# Altium PCB Graviton_11JAN15.PcbDoc (part 5 of 11) (continued)
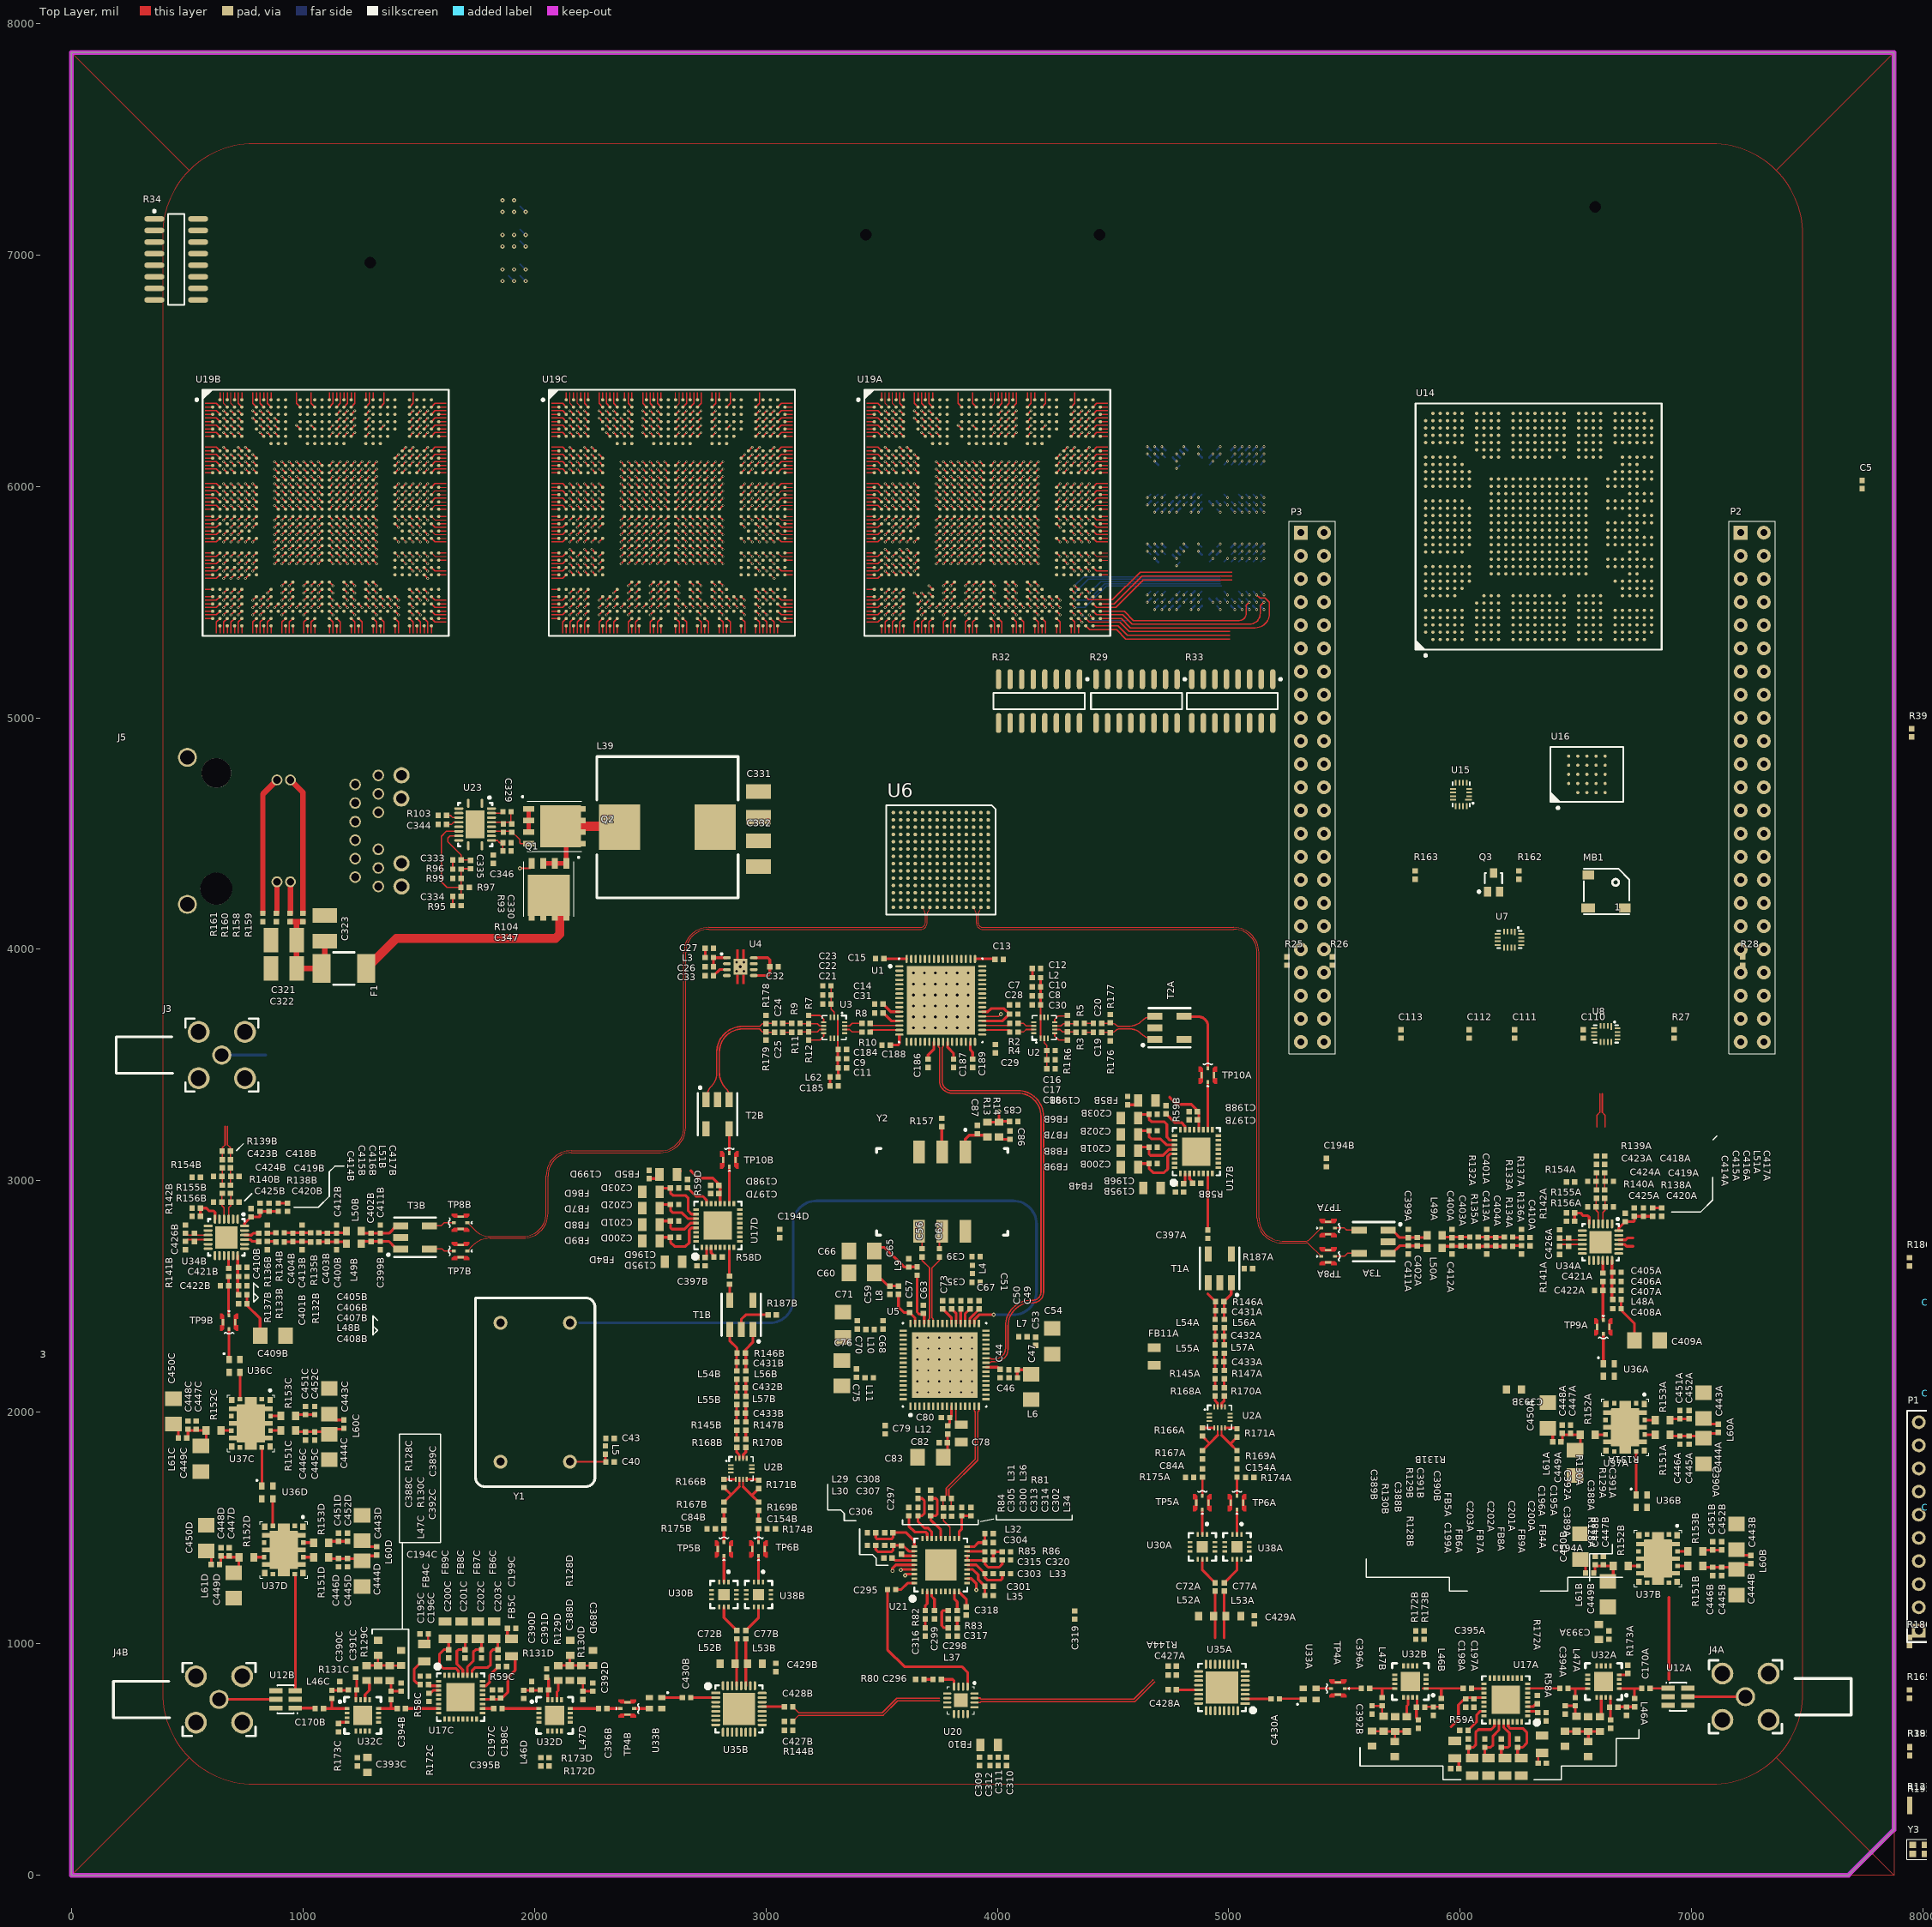
[diagram p0: Top Layer view]
## Nets (pads, with @x,y where several pads share a name; then routed paths per layer and width w, separated by ;. In a path a pad name is that pad's centre, name@x,y a point inside that pad or via, vN(x,y) a via of type N, cw(c..) or ccw(c..) an arc to the next point about the centre after c; other vN are vias at no path point) (continued)
CLK-CTRL.C\S\: U5.18
CLK-CTRL.CSN: P3.20
CLK-CTRL.LD1: P3.16 U5.31
CLK-CTRL.LD2: P3.18 U5.48
CLK-CTRL.RESET: P3.26 U5.5
CLK-CTRL.SCK: P3.22 U5.19
CLK-CTRL.SDIO: P3.24 U5.20
CLK-CTRL.SEL0: P3.12 U5.58
CLK-CTRL.SEL1: P3.14 U5.59
CLKIN: C34.1 U5.34 | length 3115.6
  Top Layer w11.81: U5.34@3900.59,2383.86 3900.59,2400.44 3921.41,2421.26 v5(3984.25,2421.26)
  Bottom Layer w11.81: 2194.84,2386.61 3018.11,2386.61 ccw(c3018.11,2486.61) 3118.11,2486.61 3118.11,2813.39 cw(c3218.11,2813.39) 3218.11,2913.39 4069.29,2913.39 cw(c4069.29,2813.39) 4169.29,2813.39 4169.29,2521.26 cw(c4069.29,2521.26) 4069.29,2421.26 v5(3984.25,2421.26)
CLKOUT3_N: U13.6
CLKOUT3_P: U13.7
CLOCK-SYNC: P3.41 U5.6
CPOUT1: C85.1 R13.1 R14.2 U5.32 | length 136.9
  Top Layer w11.81: R13.1@3956.69,3253.54 R14.2@4007.87,3253.54 ; v5(4007.87,3299.21) 4007.87,3259.84 4011.02,3256.69 C85.1@4052.95,3256.69
CSN_1: U19A.AG3 | length 22.3
  Top Layer w5: v1(3515.75,5539.37) U19A.AG3@3531.5,5555.12
CSN_2: U19B.AG3 | length 22.3
  Top Layer w5: v1(657.48,5539.37) U19B.AG3@673.23,5555.12
CSN_3: U19C.AG3 | length 22.3
  Top Layer w5: v1(2153.54,5539.37) U19C.AG3@2169.29,5555.12
DAC-CTRL.RESETN: P2.4 U6.N10
DAC-CTRL.SCLK: P2.20 U6.P9
DAC-CTRL.SDENN: P2.6 U6.P10
DAC-CTRL.SDIO: P2.16 U6.P11
DAC-CTRL.SDO: P2.14 U6.P12
DAC-CTRL.SLEEP: P2.12 U6.B8
DAC-CTRL.TXENABLE: P2.10 U6.N9
DAC-LVDS.DAC-D0_N: U6.P4 U19C.P29 | length 22.3
  Top Layer w2.99: U19C.P29@2988.19,5964.57 v1(3003.94,5980.32)
DAC-LVDS.DAC-D0_P: U6.N4 U19C.P28 | length 22.3
  Top Layer w2.99: U19C.P28@2956.69,5964.57 v1(2972.44,5980.32)
DAC-LVDS.DAC-D1_N: U6.P3 U19C.T26 | length 22.3
  Top Layer w2.99: U19C.T26@2893.7,5901.57 v1(2909.45,5917.32)
DAC-LVDS.DAC-D1_P: U6.N3 U19C.R26 | length 22.3
  Top Layer w2.99: U19C.R26@2893.7,5933.07 v1(2909.45,5948.82)
DAC-LVDS.DAC-D2_N: U6.P2 U19C.T27 | length 22.3
  Top Layer w2.99: U19C.T27@2925.2,5901.57 v1(2940.94,5917.32)
DAC-LVDS.DAC-D2_P: U6.N2 U19C.R27 | length 22.3
  Top Layer w2.99: U19C.R27@2925.2,5933.07 v1(2940.94,5948.82)
DAC-LVDS.DAC-D3_N: U6.P1 U19C.U26 | length 22.3
  Top Layer w2.99: U19C.U26@2893.7,5870.08 v1(2909.45,5854.33)
DAC-LVDS.DAC-D3_P: U6.N1 U19C.U27 | length 22.3
  Top Layer w2.99: U19C.U27@2925.2,5870.08 v1(2940.94,5854.33)
DAC-LVDS.DAC-D4_N: U6.M1 U19C.T28 | length 22.3
  Top Layer w2.99: U19C.T28@2956.69,5901.57 v1(2972.44,5917.32)
DAC-LVDS.DAC-D4_P: U6.M2 U19C.R29 | length 22.3
  Top Layer w2.99: U19C.R29@2988.19,5933.07 v1(3003.94,5948.82)
DAC-LVDS.DAC-D5_N: U6.L1 U19C.P30 | length 22.3
  Top Layer w2.99: U19C.P30@3019.69,5964.57 v1(3035.43,5980.32)
DAC-LVDS.DAC-D5_P: U6.L2 U19C.P31 | length 70.1
  Top Layer w2.99: U19C.P31@3051.18,5964.57 3066.93,5980.32 3114.76,5980.32
DAC-LVDS.DAC-D6_N: U6.K1 U19C.T30 | length 22.3
  Top Layer w2.99: U19C.T30@3019.69,5901.57 v1(3035.43,5917.32)
DAC-LVDS.DAC-D6_P: U6.K2 U19C.R30 | length 22.3
  Top Layer w2.99: U19C.R30@3019.69,5933.07 v1(3035.43,5948.82)
DAC-LVDS.DAC-D7_N: U6.J1 U19C.P32 | length 32.1
  Top Layer w2.99: U19C.P32@3082.68,5964.57 3114.76,5964.57
DAC-LVDS.DAC-D7_P: U6.J2 U19C.N32 | length 32.1
  Top Layer w2.99: U19C.N32@3082.68,5996.06 3114.76,5996.06
DAC-LVDS.DAC-D8_N: U6.F1 U19C.U30 | length 22.3
  Top Layer w2.99: U19C.U30@3019.69,5870.08 v1(3035.43,5854.33)
DAC-LVDS.DAC-D8_P: U6.F2 U19C.U31 | length 70.1
  Top Layer w2.99: U19C.U31@3051.18,5870.08 3066.93,5854.33 3114.76,5854.33
DAC-LVDS.DAC-D9_N: U6.E1 U19C.T31 | length 70.1
  Top Layer w2.99: U19C.T31@3051.18,5901.57 3066.93,5917.32 3114.76,5917.32
DAC-LVDS.DAC-D9_P: U6.E2 U19C.R32 | length 32.1
  Top Layer w2.99: U19C.R32@3082.68,5933.07 3114.76,5933.07
DAC-LVDS.DAC-D10_N: U6.D1 U19C.Y27 | length 22.3
  Top Layer w2.99: U19C.Y27@2925.2,5775.59 v1(2940.94,5759.84)
DAC-LVDS.DAC-D10_P: U6.D2 U19C.Y26 | length 22.3
  Top Layer w2.99: U19C.Y26@2893.7,5775.59 v1(2909.45,5759.84)
DAC-LVDS.DAC-D11_N: U6.C1 U19C.W28 | length 22.3
  Top Layer w2.99: U19C.W28@2956.69,5807.09 v1(2972.44,5791.34)
DAC-LVDS.DAC-D11_P: U6.C2 U19C.Y28 | length 22.3
  Top Layer w2.99: U19C.Y28@2956.69,5775.59 v1(2972.44,5759.84)
DAC-LVDS.DAC-D12_N: U6.B1 U19C.W29 | length 22.3
  Top Layer w2.99: U19C.W29@2988.19,5807.09 v1(3003.94,5791.34)
DAC-LVDS.DAC-D12_P: U6.A1 U19C.Y29 | length 22.3
  Top Layer w2.99: U19C.Y29@2988.19,5775.59 v1(3003.94,5759.84)
DAC-LVDS.DAC-D13_N: U6.B2 U19C.AC27 | length 22.3
  Top Layer w2.99: U19C.AC27@2925.2,5681.1 v1(2940.94,5665.35)
DAC-LVDS.DAC-D13_P: U6.A2 U19C.AB26 | length 22.3
  Top Layer w2.99: U19C.AB26@2893.7,5712.6 v1(2909.45,5696.85)
DAC-LVDS.DAC-D14_N: U6.B3 U19C.AB27 | length 22.3
  Top Layer w2.99: U19C.AB27@2925.2,5712.6 v1(2940.94,5696.85)
DAC-LVDS.DAC-D14_P: U6.A3 U19C.AB28 | length 22.3
  Top Layer w2.99: U19C.AB28@2956.69,5712.6 v1(2972.44,5696.85)
DAC-LVDS.DAC-D15_N: U19C.AB29 | length 22.3
  Top Layer w2.99: U19C.AB29@2988.19,5712.6 v1(3003.94,5696.85)
DAC-LVDS.DAC-D15_P: U6.A4 U19C.AB30 | length 22.3
  Top Layer w2.99: U19C.AB30@3019.68,5712.6 v1(3035.43,5696.85)
DAC-LVDS.DAC-DCLK_N: U6.G1 U19C.AD29 | length 22.3
  Top Layer w2.99: U19C.AD29@2988.19,5649.61 v1(3003.94,5633.86)
DAC-LVDS.DAC-DCLK_P: U6.G2 U19C.AC28 | length 22.3
  Top Layer w2.99: U19C.AC28@2956.69,5681.1 v1(2972.44,5665.35)
DAC-LVDS.DAC-FRAME_N: U6.H1 U19C.U32 | length 32.1
  Top Layer w2.99: U19C.U32@3082.68,5870.08 3114.76,5870.08
DAC-LVDS.DAC-FRAME_P: U6.H2 U19C.T32 | length 32.1
  Top Layer w2.99: U19C.T32@3082.68,5901.57 3114.76,5901.57
DAC-LVDS.DAC-OSTR_N: U6.B9 U19C.AB31 | length 70.1
  Top Layer w2.99: U19C.AB31@3051.18,5712.6 3066.93,5696.85 3114.76,5696.85
DAC-LVDS.DAC-OSTR_P: U6.A9 U19C.AC30 | length 22.3
  Top Layer w2.99: U19C.AC30@3019.69,5681.1 v1(3035.43,5665.35)
DAC-LVDS.DAC-PARITY_N: U6.P5 U19C.AE30 | length 22.3
  Top Layer w2.99: U19C.AE30@3019.69,5618.11 v1(3035.43,5602.36)
DAC-LVDS.DAC-PARITY_P: U6.N5 U19C.AD30 | length 22.3
  Top Layer w2.99: U19C.AD30@3019.69,5649.61 v1(3035.43,5633.86)
DAC-LVDS.DAC-SYNC_N: U6.B5 U19C.Y32 | length 32.1
  Top Layer w2.99: U19C.Y32@3082.68,5775.59 3114.76,5775.59
DAC-LVDS.DAC-SYNC_P: U6.A5 U19C.W31 | length 70.1
  Top Layer w2.99: U19C.W31@3051.18,5807.09 3066.93,5791.34 3114.76,5791.34
DACCLK_N: U5.2 U6.A11
DACCLK_P: U5.1 U6.A12
DDR-A0: R32.1 U9.N3 U10.N3 U19A.AM28 | length 32.1
  Top Layer w4.72: 4318.9,5365.55 U19A.AM28@4318.9,5397.64
  other v2: 5057.5,5688.75 5057.5,6108.75
DDR-A1: R32.2 U9.P7 U10.P7 U19A.AM29 | length 32.1
  Top Layer w4.72: 4350.39,5365.55 U19A.AM29@4350.39,5397.64
  other v2: 5089,5531.25 5089,5951.25
DDR-A2: R32.3 U9.P3 U10.P3 U19A.AL28 | length 70.1
  Top Layer w4.72: U19A.AL28@4318.9,5429.13 4334.65,5413.39 4334.65,5365.55
  other v2: 5089,5688.75 5089,6108.75
DDR-A3: R32.4 U9.N2 U10.N2 U19A.AK28 | length 22.3
  Top Layer w5: U19A.AK28@4318.9,5460.63 v1(4334.65,5444.88)
  other v2: 5057.5,5720.25 5057.5,6140.25
DDR-A4: R32.5 U9.P8 U10.P8 U19A.AK32 | length 719.1
  Top Layer w4.72: U19A.AK32@4444.88,5460.63 4548.4,5460.63 4588.4,5420.63 5045.63,5420.63 ccw(c5045.63,5450.62) 5075.62,5450.62
  Top Layer w4.75: 5075.62,5450.62 5075.62,5486.38 v2(5089,5499.75)
  other v2: 5089,5919.75
DDR-A5: R32.6 U9.P2 U10.P2 U19A.AJ32 | length 619.8
  Top Layer w4.72: U19A.AJ32@4444.88,5492.13 4504.86,5492.13 4624.86,5612.13 5015,5612.13
  other v2: 5089,5720.25 5089,6140.25
DDR-A6: R32.7 U9.R8 U10.R8 U19A.AM30 | length 647
  Top Layer w4.72: U19A.AM30@4381.89,5397.64 4399.53,5380 4502.13,5380 4515,5380 4555,5340 5005,5340
  other v2: 5120.5,5499.75 5120.5,5919.75
DDR-A7: R32.8 U9.R2 U10.R2 U19A.AL30 | length 646.2
  Top Layer w4.72: U19A.AL30@4381.89,5429.13 4397.64,5413.39 4528.83,5413.39 4568.83,5373.39 5005,5373.39
  other v2: 5120.5,5720.25 5120.5,6140.25
DDR-A8: R33.1 U9.T8 U10.T8 U19A.AK31 | length 827.5
  Top Layer w4.72: U19A.AK31@4413.39,5460.63 4429.13,5444.88 4541.88,5444.88 4581.88,5404.88 5005,5404.88
  Top Layer w4.75: 5005,5404.88 5090,5404.88 ccw(c5090,5450.88) 5136,5450.88 5136,5483.75 v2(5152,5499.75)
  other v2: 5152,5919.75
DDR-A9: R33.2 U9.R3 U10.R3 U19A.AJ31 | length 657.8
  Top Layer w4.72: U19A.AJ31@4413.39,5492.13 4429.13,5476.38 4511.38,5476.38 4631.38,5596.38 5015,5596.38
  other v2: 5120.5,5688.75 5120.5,6108.75
DDR-A10: R33.3 U9.L7 U10.L7 U19A.AM31 | length 608.2
  Top Layer w4.72: U19A.AM31@4413.39,5397.64 4502.13,5397.64 4522.31,5397.64 4562.31,5357.64 5005,5357.64
  other v2: 4994.5,5531.25 4994.5,5951.25
DDR-A11: R33.4 U9.R7 U10.R7 U19A.AL32 | length 899.9
  Top Layer w4.72: U19A.AL32@4444.88,5429.13 4535.35,5429.13 4575.35,5389.13 5114.63,5389.13 ccw(c5114.63,5450) 5175.5,5450 5175.5,5500 5157.61,5517.89 5133.86,5517.89 v2(5120.5,5531.25)
  other v2: 5120.5,5951.25
DDR-A12: R33.5 U9.N7 U10.N7 U19A.AG28 | length 677.3
  Top Layer w5: U19A.AG28@4318.9,5555.12 v1(4334.65,5539.37)
  Bottom Layer w4.72: v1(4334.65,5539.37) 4394.28,5599 4965,5599
  other v2: 5057.5,5531.25 5057.5,5951.25
DDR-A13: R33.6 U9.T3 U10.T3 U19A.AG29 | length 668.4
  Top Layer w5: v1(4334.65,5570.87) U19A.AG29@4350.39,5555.12
  Bottom Layer w4.72: v1(4334.65,5570.87) 4372.78,5609 4965,5609
  other v2: 5152,5688.75 5152,6108.75
DDR-A14: R33.7 U9.T7 U10.T7 U19A.AJ28 | length 696
  Top Layer w5: U19A.AJ28@4318.9,5492.13 v1(4334.65,5476.38)
  Bottom Layer w4.72: v1(4334.65,5476.38) 4379.38,5476.38 4472.14,5569.14 4970,5569.14
  other v2: 5152,5531.25 5152,5951.25
DDR-A15: R33.8 U9.M7 U10.M7 U19A.AH28 | length 682.1
  Top Layer w5: U19A.AH28@4318.9,5523.62 v1(4334.65,5507.87)
  Bottom Layer w4.72: v1(4334.65,5507.87) 4392.87,5507.87 4464,5579 4965,5579
DDR-BA0: R34.1 U9.M2 U10.M2 U19A.AH30 | length 688.5
  Top Layer w5: U19A.AH30@4381.89,5523.62 4395.51,5510 4497.45,5510 4617.45,5630 5015,5630
  other v2: 5026,5720.25 5026,6140.25
DDR-BA1: R34.2 U9.N8 U10.N8 U19A.AG30 | length 610.2
  Top Layer w5: U19A.AG30@4381.89,5555.12 v1(4397.64,5539.37)
  Bottom Layer w4.72: v1(4397.64,5539.37) 4447.27,5589 4965,5589
  other v2: 5057.5,5499.75 5057.5,5919.75
DDR-BA2: R34.3 U9.M3 U10.M3 U19A.AK29 | length 233.2
  Top Layer w5: U19A.AK29@4350.39,5460.63 v1(4366.14,5444.88)
  Bottom Layer w4.72: v1(4366.14,5444.88) 4391.02,5420 4566.76,5420
  other v2: 5026,5688.75 5026,6108.75
DDR-D0: U10.E3 U19A.P28 | length 22.3
  Top Layer w5: U19A.P28@4318.9,5964.57 v1(4334.65,5980.32)
  other v2: 4774,6077.25
DDR-D1: U10.F7 U19A.P29 | length 22.3
  Top Layer w5: U19A.P29@4350.39,5964.57 v1(4366.14,5980.32)
  other v2: 4805.5,5951.25
DDR-D2: U10.F2 U19A.R26 | length 22.3
  Top Layer w5: U19A.R26@4255.91,5933.07 v1(4271.65,5948.82)
DDR-D3: U10.F8 U19A.T26 | length 22.3
  Top Layer w5: U19A.T26@4255.91,5901.57 v1(4271.65,5917.32)
  other v2: 4805.5,5919.75
DDR-D4: U10.H3 U19A.R27 | length 22.3
  Top Layer w5: U19A.R27@4287.4,5933.07 v1(4303.15,5948.82)
DDR-D5: U10.H8 U19A.T27 | length 22.3
  Top Layer w5: U19A.T27@4287.4,5901.57 v1(4303.15,5917.32)
  other v2: 4868.5,5919.75
DDR-D6: U10.G2 U19A.U27 | length 22.3
  Top Layer w5: U19A.U27@4287.4,5870.08 v1(4303.15,5854.33)
DDR-D7: U10.H7 U19A.U26 | length 22.3
  Top Layer w5: U19A.U26@4255.91,5870.08 v1(4271.65,5854.33)
  other v2: 4868.5,5951.25
DDR-D8: U10.D7 U19A.P31 | length 70.1
  Top Layer w4.72: U19A.P31@4413.39,5964.57 4429.13,5980.32 4476.97,5980.32
DDR-D9: U10.C3 U19A.P30 | length 22.3
  Top Layer w5: U19A.P30@4381.89,5964.57 v1(4397.64,5980.32)
DDR-D10: U10.C8 U19A.R30 | length 22.3
  Top Layer w5: U19A.R30@4381.89,5933.07 v1(4397.64,5948.82)
  other v2: 4711,5919.75
DDR-D11: U10.C2 U19A.T30 | length 22.3
  Top Layer w5: U19A.T30@4381.89,5901.57 v1(4397.64,5917.32)
  other v2: 4711,6140.25
DDR-D12: U10.A7 U19A.N32 | length 32.1
  Top Layer w4.72: U19A.N32@4444.88,5996.06 4476.97,5996.06
  other v2: 4648,5951.25
DDR-D13: U10.A2 U19A.P32 | length 32.1
  Top Layer w4.72: U19A.P32@4444.88,5964.57 4476.97,5964.57
  other v2: 4648,6140.25
DDR-D14: U10.B8 U19A.U31 | length 70.1
  Top Layer w4.72: U19A.U31@4413.39,5870.08 4429.13,5854.33 4476.97,5854.33
  other v2: 4679.5,5919.75
DDR-D15: U10.A3 U19A.U30 | length 22.3
  Top Layer w5: U19A.U30@4381.89,5870.08 v1(4397.64,5854.33)
DDR-D16: U9.E3 U19A.Y26 | length 22.3
  Top Layer w5: U19A.Y26@4255.91,5775.59 v1(4271.65,5759.84)
  other v2: 4774,5657.25
DDR-D17: U9.F7 U19A.Y27 | length 22.3
  Top Layer w5: U19A.Y27@4287.4,5775.59 v1(4303.15,5759.84)
  other v2: 4805.5,5531.25
DDR-D18: U9.F2 U19A.Y28 | length 22.3
  Top Layer w5: U19A.Y28@4318.9,5775.59 v1(4334.65,5759.84)
DDR-D19: U9.F8 U19A.W28 | length 22.3
  Top Layer w5: U19A.W28@4318.9,5807.09 v1(4334.65,5791.34)
  other v2: 4805.5,5499.75
DDR-D20: U9.H3 U19A.Y29 | length 22.3
  Top Layer w5: U19A.Y29@4350.39,5775.59 v1(4366.14,5759.84)
DDR-D21: U9.H8 U19A.W29 | length 22.3
  Top Layer w5: U19A.W29@4350.39,5807.09 v1(4366.14,5791.34)
  other v2: 4868.5,5499.75
DDR-D22: U9.G2 U19A.AB26 | length 22.3
  Top Layer w5: U19A.AB26@4255.91,5712.6 v1(4271.65,5696.85)
DDR-D23: U9.H7 U19A.AC27 | length 22.3
  Top Layer w5: U19A.AC27@4287.4,5681.1 v1(4303.15,5665.35)
  other v2: 4868.5,5531.25
DDR-D24: U9.D7 U19A.AB30 | length 22.3
  Top Layer w5: U19A.AB30@4381.89,5712.6 v1(4397.64,5696.85)
DDR-D25: U9.C3 U19A.AB29 | length 22.3
  Top Layer w5: U19A.AB29@4350.39,5712.6 v1(4366.14,5696.85)
DDR-D26: U9.C8 U19A.AC28 | length 22.3
  Top Layer w5: U19A.AC28@4318.9,5681.1 v1(4334.65,5665.35)
  other v2: 4711,5499.75
DDR-D27: U9.C2 U19A.AD29 | length 22.3
  Top Layer w5: U19A.AD29@4350.39,5649.61 v1(4366.14,5633.86)
  other v2: 4711,5720.25
DDR-D28: U9.A7 U19A.W31 | length 70.1
  Top Layer w4.72: U19A.W31@4413.39,5807.09 4429.13,5791.34 4476.97,5791.34
  other v2: 4648,5531.25
DDR-D29: U9.A2 U19A.Y32 | length 32.1
  Top Layer w4.72: U19A.Y32@4444.88,5775.59 4476.97,5775.59
  other v2: 4648,5720.25
DDR-D30: U9.B8 U19A.AD30 | length 22.3
  Top Layer w5: U19A.AD30@4381.89,5649.61 v1(4397.64,5633.86)
  other v2: 4679.5,5499.75
DDR-D31: U9.A3 U19A.AE30
DDRCC2.S0_3: U19C.P27 | length 22.3
  Top Layer w5: U19C.P27@2925.2,5964.57 v1(2940.94,5980.32)
DDRCC2.S1_3: U19C.P26 | length 22.3
  Top Layer w5: U19C.P26@2893.7,5964.57 v1(2909.45,5980.32)
DDRCC2.S2_3: U19C.N26 | length 22.3
  Top Layer w5: U19C.N26@2893.7,5996.06 v1(2909.45,6011.81)
DDRCC2.S3_3: U19C.N27 | length 22.3
  Top Layer w5: U19C.N27@2925.2,5996.06 v1(2940.94,6011.81)
DDRCC2.S4_3: U19C.L27 | length 22.3
  Top Layer w5: U19C.L27@2925.2,6059.06 v1(2940.94,6074.8)
DDRCC2.S5_3: U19C.L26 | length 22.3
  Top Layer w5: U19C.L26@2893.7,6059.06 v1(2909.45,6074.8)
DDRCC2.S6_3: U19C.N29 | length 22.3
  Top Layer w5: U19C.N29@2988.19,5996.06 v1(3003.94,6011.81)
DDRCC2.S7_3: U19C.N30 | length 22.3
  Top Layer w5: U19C.N30@3019.69,5996.06 v1(3035.43,6011.81)
DDRCC2.S8_3: U19C.L29 | length 22.3
  Top Layer w5: U19C.L29@2988.19,6059.06 v1(3003.94,6074.8)
DDRCC2.S9_3: U19C.K28 | length 22.3
  Top Layer w5: U19C.K28@2956.69,6090.55 v1(2972.44,6106.3)
DDRCC2.S10_3: U19C.K26 | length 22.3
  Top Layer w5: U19C.K26@2893.7,6090.55 v1(2909.45,6106.3)
DDRCC2.S11_3: U19C.K27 | length 22.3
  Top Layer w5: U19C.K27@2925.2,6090.55 v1(2940.94,6106.3)
DDRCC2.S12_3: U19C.J27 | length 22.3
  Top Layer w5: U19C.J27@2925.2,6122.05 v1(2940.94,6137.8)
DDRCC2.S13_3: U19C.H28 | length 22.3
  Top Layer w5: U19C.H28@2956.69,6153.54 v1(2972.44,6169.29)
DDRCC2.S14_3: U19C.H27 | length 22.3
  Top Layer w5: U19C.H27@2925.2,6153.54 v1(2940.94,6169.29)
DDRCC2.S15_3: U19C.K29 | length 22.3
  Top Layer w5: U19C.K29@2988.19,6090.55 v1(3003.94,6106.3)
DDRCC2.S16_3: U19C.J29 | length 22.3
  Top Layer w5: U19C.J29@2988.19,6122.05 v1(3003.94,6137.8)
DDRCC2.S17_3: U19C.L30 | length 22.3
  Top Layer w5: U19C.L30@3019.69,6059.06 v1(3035.43,6074.8)
DDRCC2.S18_3: U19C.L31 | length 70.1
  Top Layer w4.72: U19C.L31@3051.18,6059.06 3066.93,6074.8 3114.76,6074.8
DDRCC2.S19_3: U19C.L32 | length 32.1
  Top Layer w4.72: U19C.L32@3082.68,6059.06 3114.76,6059.06
DDRCC2.S20_3: U19C.K32 | length 32.1
  Top Layer w4.72: U19C.K32@3082.68,6090.55 3114.76,6090.55
DDRCC2.S21_3: U19C.J32 | length 32.1
  Top Layer w4.72: U19C.J32@3082.68,6122.05 3114.76,6122.05
DDRCC2.S22_3: U19C.K31 | length 70.1
  Top Layer w4.72: U19C.K31@3051.18,6090.55 3066.93,6106.3 3114.76,6106.3
DDRCC2.S23_3: U19C.K30 | length 22.3
  Top Layer w5: U19C.K30@3019.69,6090.55 v1(3035.43,6106.3)
DDRCC2.S24_3: U19C.J30 | length 22.3
  Top Layer w5: U19C.J30@3019.69,6122.05 v1(3035.43,6137.8)
DDRCC2.S25_3: U19C.H30 | length 22.3
  Top Layer w5: U19C.H30@3019.69,6153.54 v1(3035.43,6169.29)
DDRCC2.S26_3: U19C.H31 | length 70.1
  Top Layer w4.72: U19C.H31@3051.18,6153.54 3066.93,6169.29 3114.76,6169.29
DDRCC2.S27_3: U19C.H32 | length 32.1
  Top Layer w4.72: U19C.H32@3082.68,6153.54 3114.76,6153.54
DDRCC2.S28_3: U19C.F32 | length 32.1
  Top Layer w4.72: U19C.F32@3082.68,6216.54 3114.76,6216.54
DDRCC2.S29_3: U19C.E32 | length 32.1
  Top Layer w4.72: U19C.E32@3082.68,6248.03 3114.76,6248.03
DDRCC2.S30_3: U19C.F31 | length 70.1
  Top Layer w4.72: U19C.F31@3051.18,6216.54 3066.93,6232.28 3114.76,6232.28
DDRCC2.S31_3: U19C.D32 | length 32.1
  Top Layer w4.72: U19C.D32@3082.68,6279.53 3114.76,6279.53
DDRCC2.S32_3: U19C.C32 | length 32.1
  Top Layer w4.72: U19C.C32@3082.68,6311.02 3114.76,6311.02
DDRCC2.S33_3: U19C.E30 | length 22.3
  Top Layer w5: U19C.E30@3019.69,6248.03 v1(3035.43,6263.78)
DDRCC2.S34_3: U19C.F30 | length 22.3
  Top Layer w5: U19C.F30@3019.69,6216.54 v1(3035.43,6232.28)
DDRCC2.S35_3: U19C.D31 | length 70.1
  Top Layer w4.72: U19C.D31@3051.18,6279.53 3066.93,6295.28 3114.76,6295.28
DDRCC2.S36_3: U19C.D30 | length 22.3
  Top Layer w5: U19C.D30@3019.68,6279.53 v1(3035.43,6295.28)
DDRCC2.S37_3: U19C.C31 | length 70.1
  Top Layer w4.72: U19C.C31@3051.18,6311.02 3066.93,6326.77 3114.76,6326.77
DDRCC2.S38_3: U19C.B32 | length 32.1
  Top Layer w4.72: U19C.B32@3082.68,6342.52 3114.76,6342.52
DDRCC2.S39_3: U19C.F28 | length 22.3
  Top Layer w5: U19C.F28@2956.69,6216.54 v1(2972.44,6232.28)
DDRCC2.S40_3: U19C.F29 | length 22.3
  Top Layer w5: U19C.F29@2988.19,6216.54 v1(3003.94,6232.28)
DDRCC2.S41_3: U19C.E29 | length 22.3
  Top Layer w5: U19C.E29@2988.19,6248.03 v1(3003.94,6263.78)
DDRCC2.S42_3: U19C.D29 | length 22.3
  Top Layer w5: U19C.D29@2988.19,6279.53 v1(3003.94,6295.28)
DDRCC2.S43_3: U19C.C30 | length 22.3
  Top Layer w5: U19C.C30@3019.69,6311.02 v1(3035.43,6326.77)
DDRCC2.S44_3: U19C.C29 | length 22.3
  Top Layer w5: U19C.C29@2988.19,6311.02 v1(3003.94,6326.77)
DDRCC2.S45_3: U19C.D28 | length 22.3
  Top Layer w5: U19C.D28@2956.69,6279.53 v1(2972.44,6295.28)
DDRCC2.S46_3: U19C.C28 | length 22.3
  Top Layer w5: U19C.C28@2956.69,6311.02 v1(2972.44,6326.77)
DDRCC6.S47_1: U19A.AB3 | length 22.3
  Top Layer w5: v1(3515.75,5728.35) U19A.AB3@3531.5,5712.6
DDRCC6.S47_2: U19B.AB3 | length 22.3
  Top Layer w5: v1(657.48,5696.85) U19B.AB3@673.23,5712.6
DDRCC6.S47_3: U19C.AB3 | length 22.3
  Top Layer w5: v1(2153.54,5728.35) U19C.AB3@2169.29,5712.6
DDRCC7.S0_2: U19B.P6 | length 22.3
  Top Layer w5: v1(751.97,5980.32) U19B.P6@767.72,5964.57
DDRCC7.S1_2: U19B.P7 | length 22.3
  Top Layer w5: v1(783.46,5980.32) U19B.P7@799.21,5964.57
DDRCC7.S2_2: U19B.C4 | length 22.3
  Top Layer w5: v1(688.98,6326.77) U19B.C4@704.72,6311.02
DDRCC7.S3_2: U19B.C3 | length 22.3
  Top Layer w5: v1(657.48,6326.77) U19B.C3@673.23,6311.02
DDRCC7.S4_2: U19B.D4 | length 22.3
  Top Layer w5: v1(688.98,6295.28) U19B.D4@704.72,6279.53
DDRCC7.S5_2: U19B.E4 | length 22.3
  Top Layer w5: v1(688.98,6263.78) U19B.E4@704.72,6248.03
DDRCC7.S6_2: U19B.F4 | length 22.3
  Top Layer w5: v1(688.98,6232.28) U19B.F4@704.72,6216.54
DDRCC7.S7_2: U19B.F5 | length 22.3
  Top Layer w5: v1(720.47,6232.28) U19B.F5@736.22,6216.54
DDRCC7.S8_2: U19B.B1 | length 32.1
  Top Layer w4.72: 578.15,6342.52 U19B.B1@610.24,6342.52
DDRCC7.S9_2: U19B.C2 | length 70.1
  Top Layer w4.72: 578.15,6326.77 625.98,6326.77 U19B.C2@641.73,6311.02
DDRCC7.S10_2: U19B.D3 | length 22.3
  Top Layer w5: v1(657.48,6295.28) U19B.D3@673.23,6279.53
DDRCC7.S11_2: U19B.D2 | length 70.1
  Top Layer w4.72: 578.15,6295.28 625.98,6295.28 U19B.D2@641.73,6279.53
DDRCC7.S12_2: U19B.F3 | length 22.3
  Top Layer w5: v1(657.48,6232.28) U19B.F3@673.23,6216.54
DDRCC7.S13_2: U19B.E3 | length 22.3
  Top Layer w5: v1(657.48,6263.78) U19B.E3@673.23,6248.03
DDRCC7.S14_2: U19B.C1 | length 32.1
  Top Layer w4.72: 578.15,6311.02 U19B.C1@610.24,6311.02
DDRCC7.S15_2: U19B.D1 | length 32.1
  Top Layer w4.72: 578.15,6279.53 U19B.D1@610.24,6279.53
DDRCC7.S16_2: U19B.F2 | length 70.1
  Top Layer w4.72: 578.15,6232.28 625.98,6232.28 U19B.F2@641.73,6216.54
DDRCC7.S17_2: U19B.E1 | length 32.1
  Top Layer w4.72: 578.15,6248.03 U19B.E1@610.24,6248.03
DDRCC7.S18_2: U19B.F1 | length 32.1
  Top Layer w4.72: 578.15,6216.54 U19B.F1@610.24,6216.54
DDRCC7.S19_2: U19B.H1 | length 32.1
  Top Layer w4.72: 578.15,6153.54 U19B.H1@610.24,6153.54
DDRCC7.S20_2: U19B.H2 | length 70.1
  Top Layer w4.72: 578.15,6169.29 625.98,6169.29 U19B.H2@641.73,6153.54
DDRCC7.S21_2: U19B.H3 | length 22.3
  Top Layer w5: v1(657.48,6169.29) U19B.H3@673.23,6153.54
DDRCC7.S22_2: U19B.J3 | length 22.3
  Top Layer w5: v1(657.48,6137.8) U19B.J3@673.23,6122.05
DDRCC7.S23_2: U19B.K3 | length 22.3
  Top Layer w5: v1(657.48,6106.3) U19B.K3@673.23,6090.55
DDRCC7.S24_2: U19B.K2 | length 70.1
  Top Layer w4.72: 578.15,6106.3 625.98,6106.3 U19B.K2@641.73,6090.55
DDRCC7.S25_2: U19B.J1 | length 32.1
  Top Layer w4.72: 578.15,6122.05 U19B.J1@610.24,6122.05
DDRCC7.S26_2: U19B.K1 | length 32.1
  Top Layer w4.72: 578.15,6090.55 U19B.K1@610.24,6090.55
DDRCC7.S27_2: U19B.L1 | length 32.1
  Top Layer w4.72: 578.15,6059.06 U19B.L1@610.24,6059.06
DDRCC7.S28_2: U19B.L2 | length 70.1
  Top Layer w4.72: 578.15,6074.8 625.98,6074.8 U19B.L2@641.73,6059.06
DDRCC7.S29_2: U19B.L3 | length 22.3
  Top Layer w5: v1(657.48,6074.8) U19B.L3@673.23,6059.06
DDRCC7.S30_2: U19B.J4 | length 22.3
  Top Layer w5: v1(688.98,6137.8) U19B.J4@704.72,6122.05
DDRCC7.S31_2: U19B.K4 | length 22.3
  Top Layer w5: v1(688.98,6106.3) U19B.K4@704.72,6090.55
DDRCC7.S32_2: U19B.H6 | length 22.3
  Top Layer w5: v1(751.97,6169.29) U19B.H6@767.72,6153.54
DDRCC7.S33_2: U19B.H5 | length 22.3
  Top Layer w5: v1(720.47,6169.29) U19B.H5@736.22,6153.54
DDRCC7.S34_2: U19B.J6 | length 22.3
  Top Layer w5: v1(751.97,6137.8) U19B.J6@767.72,6122.05
DDRCC7.S35_2: U19B.K6 | length 22.3
  Top Layer w5: v1(751.97,6106.3) U19B.K6@767.72,6090.55
DDRCC7.S36_2: U19B.K7 | length 22.3
  Top Layer w5: v1(783.46,6106.3) U19B.K7@799.21,6090.55
DDRCC7.S37_2: U19B.K5 | length 22.3
  Top Layer w5: v1(720.47,6106.3) U19B.K5@736.22,6090.55
DDRCC7.S38_2: U19B.L4 | length 22.3
  Top Layer w5: v1(688.98,6074.8) U19B.L4@704.72,6059.06
DDRCC7.S39_2: U19B.N3 | length 22.3
  Top Layer w5: v1(657.48,6011.81) U19B.N3@673.23,5996.06
DDRCC7.S40_2: U19B.N4 | length 22.3
  Top Layer w5: v1(688.98,6011.81) U19B.N4@704.72,5996.06
DDRCC7.S41_2: U19B.L7 | length 22.3
  Top Layer w5: v1(783.46,6074.8) U19B.L7@799.21,6059.06
DDRCC7.S42_2: U19B.L6 | length 22.3
  Top Layer w5: v1(751.97,6074.8) U19B.L6@767.72,6059.06
DDRCC7.S43_2: U19B.N6 | length 22.3
  Top Layer w5: v1(751.97,6011.81) U19B.N6@767.72,5996.06
DDRCC7.S44_2: U19B.N7 | length 22.3
  Top Layer w5: v1(783.46,6011.81) U19B.N7@799.21,5996.06
DDRCC7.S45_2: U19B.C5 | length 22.3
  Top Layer w5: v1(720.47,6326.77) U19B.C5@736.22,6311.02
DDRCC7.S46_2: U19B.D5 | length 22.3
  Top Layer w5: v1(720.47,6295.28) U19B.D5@736.22,6279.53
DDRVREF: C127.2 C128.2 C133.2 C136.2 C148.2 C150.2 R36.1 R113.2 U9.H1 U9.M8 U10.H1 U10.M8
  other v2: 5026,5499.75 4868.5,5751.75 5026,5919.75 4868.5,6171.75
DDRVTT: C134.2 C137.2 R29.9 R29.10 R29.11 R29.12 R29.13 R29.14 R32.9 R32.10 R32.11 R32.12 R32.13 R32.14 R32.15 R32.16 R33.9 R33.10 R33.11 R33.12 R33.13 R33.14 R33.15 R33.16 R34.9 R34.10 R34.11 R34.12 R34.13 R34.14 R34.15 R34.16 R36.2 R37.1
DSA-CTRL0.D3: FB9A.2 U19B.AM28 | length 32.1
  Top Layer w4.72: 1460.63,5365.55 U19B.AM28@1460.63,5397.64
DSA-CTRL0.D4: FB8A.2 U19B.AM29 | length 32.1
  Top Layer w4.72: 1492.13,5365.55 U19B.AM29@1492.13,5397.64
DSA-CTRL0.D5: FB7A.2 U19B.AL28 | length 70.1
  Top Layer w4.72: U19B.AL28@1460.63,5429.13 1476.38,5413.39 1476.38,5365.55
DSA-CTRL0.D6: FB6A.2 U19B.AK28 | length 22.3
  Top Layer w5: U19B.AK28@1460.63,5460.63 v1(1476.38,5444.88)
DSA-CTRL1.D3: FB9B.2 U19B.AK32 | length 32.1
  Top Layer w4.72: U19B.AK32@1586.61,5460.63 1618.7,5460.63
DSA-CTRL1.D4: FB8B.2 U19B.AJ32 | length 32.1
  Top Layer w4.72: U19B.AJ32@1586.61,5492.13 1618.7,5492.13
DSA-CTRL1.D5: FB7B.2 U19B.AM30 | length 32.1
  Top Layer w4.72: 1523.62,5365.55 U19B.AM30@1523.62,5397.64
DSA-CTRL1.D6: FB6B.2 U19B.AL30 | length 70.1
  Top Layer w4.72: U19B.AL30@1523.62,5429.13 1539.37,5413.39 1539.37,5365.55
DSA-CTRL2.D3: FB9C.2 U19B.AK31 | length 70.1
  Top Layer w4.72: U19B.AK31@1555.12,5460.63 1570.87,5444.88 1618.7,5444.88
DSA-CTRL2.D4: FB8C.2 U19B.AJ31 | length 70.1
  Top Layer w4.72: U19B.AJ31@1555.12,5492.13 1570.87,5476.38 1618.7,5476.38
DSA-CTRL2.D5: FB7C.2 U19B.AM31 | length 32.1
  Top Layer w4.72: 1555.12,5365.55 U19B.AM31@1555.12,5397.64
DSA-CTRL2.D6: FB6C.2 U19B.AL32 | length 32.1
  Top Layer w4.72: U19B.AL32@1586.61,5429.13 1618.7,5429.13
DSA-CTRL3.D3: FB9D.2 U19B.AG28 | length 22.3
  Top Layer w5: U19B.AG28@1460.63,5555.12 v1(1476.38,5539.37)
DSA-CTRL3.D4: FB8D.2 U19B.AG29 | length 22.3
  Top Layer w5: U19B.AG29@1492.13,5555.12 v1(1507.87,5539.37)
DSA-CTRL3.D5: FB7D.2 U19B.AJ28 | length 22.3
  Top Layer w5: U19B.AJ28@1460.63,5492.13 v1(1476.38,5476.38)
DSA-CTRL3.D6: FB6D.2 U19B.AH28 | length 22.3
  Top Layer w5: U19B.AH28@1460.63,5523.62 v1(1476.38,5507.87)
ENET2-DDRCC6.S0: U18.46 U19A.P5 | length 22.3
  Top Layer w5: v1(3578.74,5980.32) U19A.P5@3594.49,5964.57
ENET2-DDRCC6.S1: U19A.P4 | length 22.3
  Top Layer w5: v1(3547.24,5980.32) U19A.P4@3562.99,5964.57
ENET2-DDRCC6.S2: U18.43 U19A.R7 | length 22.3
  Top Layer w5: v1(3641.73,5948.82) U19A.R7@3657.48,5933.07
ENET2-DDRCC6.S3: U18.44 U19A.T7 | length 22.3
  Top Layer w5: v1(3641.73,5917.32) U19A.T7@3657.48,5901.57
ENET2-DDRCC6.S4: U18.45 U19A.R6 | length 22.3
  Top Layer w5: v1(3610.24,5948.82) U19A.R6@3625.98,5933.07
ENET2-DDRCC6.S5: U18.47 U19A.T6 | length 22.3
  Top Layer w5: v1(3610.24,5917.32) U19A.T6@3625.98,5901.57
ENET2-DDRCC6.S6: U18.48 U19A.U6 | length 22.3
  Top Layer w5: v1(3610.24,5854.33) U19A.U6@3625.98,5870.08
ENET2-DDRCC6.S7: U18.50 U19A.U7 | length 22.3
  Top Layer w5: v1(3641.73,5854.33) U19A.U7@3657.48,5870.08
ENET2-DDRCC6.S8: U18.51 U19A.R4 | length 22.3
  Top Layer w5: v1(3547.24,5948.82) U19A.R4@3562.99,5933.07
ENET2-DDRCC6.S9: U18.53 U19A.T5 | length 22.3
  Top Layer w5: v1(3578.74,5917.32) U19A.T5@3594.49,5901.57
ENET2-DDRCC6.S10: U18.54 U19A.T4 | length 22.3
  Top Layer w5: v1(3547.24,5917.32) U19A.T4@3562.99,5901.57
ENET2-DDRCC6.S11: U18.55 U19A.U5 | length 22.3
  Top Layer w5: v1(3578.74,5854.33) U19A.U5@3594.49,5870.08
ENET2-DDRCC6.S12: U18.56 U19A.U4 | length 22.3
  Top Layer w5: v1(3547.24,5854.33) U19A.U4@3562.99,5870.08
ENET2-DDRCC6.S13: U18.16 U19A.V6 | length 22.3
  Top Layer w5: v1(3610.24,5822.83) U19A.V6@3625.98,5838.58
ENET2-DDRCC6.S14: R66.1 U18.8 U19A.V7 | length 22.3
  Top Layer w5: v1(3641.73,5822.83) U19A.V7@3657.48,5838.58
ENET2-DDRCC6.S15: U18.7 U19A.P2 | length 70.1
  Top Layer w4.72: 3436.42,5980.32 3484.25,5980.32 U19A.P2@3500,5964.57